# Allegro board SDHCalFEB.brd (continued)
## Placement (name value [footprint] x y rotation side) (continued)
R2253  1M  [SR0603_1M]  178.09 71.28 0 top
R2254  1M  [SR0603_1M]  98.8 70.57 90 top
R2255  1M  [SR0603_1M]  82.93 59.19 90 top
R2256  1M  [SR0603_1M]  257.81 80.03 270 top
R2257  1M  [SR0603_1M]  178.08 80.03 270 top
R2258  1M  [SR0603_1M]  98 80.08 270 top
R2259  1M  [SR0603_1M]  84.07 65.23 0 top
R2260  1M  [SR0603_1M]  282.73 74.45 270 top
R2261  1M  [SR0603_1M]  202.69 74.37 270 top
R2262  1M  [SR0603_1M]  122.73 74.47 270 top
R2263  1M  [SR0603_1M]  26.47 63.75 0 top
R2264  1M  [SR0603_1M]  274.62 71.42 90 top
R2265  1M  [SR0603_1M]  194.64 71.42 90 top
R2266  1M  [SR0603_1M]  114.63 71.42 90 top
R2267  1M  [SR0603_1M]  25.02 55.07 0 top
R2268  1M  [SR0603_1M]  260.48 73.66 0 top
R2269  1M  [SR0603_1M]  180.49 73.69 0 top
R2270  1M  [SR0603_1M]  100.48 73.66 0 top
R2271  1M  [SR0603_1M]  26.52 61.21 0 top
R2272  1M  [SR0603_1M]  332.94 61.7 180 top
R2273  1M  [SR0603_1M]  252.22 59.94 180 top
R2274  1M  [SR0603_1M]  172.24 59.99 180 top
R2275  1M  [SR0603_1M]  66.95 21.31 180 top
R2276  1M  [SR0603_1M]  321.94 62.2 0 top
R2277  1M  [SR0603_1M]  242.93 59.18 90 top
R2278  1M  [SR0603_1M]  162.94 59.21 90 top
R2279  1M  [SR0603_1M]  67.13 29.84 180 top
R2280  1M  [SR0603_1M]  319.56 65.35 90 top
R2281  1M  [SR0603_1M]  247.24 65.2 0 top
R2282  1M  [SR0603_1M]  164.52 65.25 0 top
R2283  1M  [SR0603_1M]  48.62 17.02 0 top
R2284  1M  [SR0603_1M]  259.18 67.36 0 top
R2285  1M  [SR0603_1M]  184.18 66.19 180 top
R2286  1M  [SR0603_1M]  104.14 66.32 180 top
R2287  1M  [SR0603_1M]  33.53 26.31 270 top
R2288  1M  [SR0603_1M]  274.95 63.93 180 top
R2289  1M  [SR0603_1M]  194.56 63.88 180 top
R2290  1M  [SR0603_1M]  114.81 63.91 180 top
R2291  1M  [SR0603_1M]  34.47 32.54 0 top
R2292  1M  [SR0603_1M]  274.19 59.99 90 top
R2293  1M  [SR0603_1M]  194.59 60.12 90 top
R2294  1M  [SR0603_1M]  114.71 60.05 90 top
R2295  1M  [SR0603_1M]  24.99 52.45 0 top
R2296  1M  [SR0603_1M]  271.7 61.44 90 top
R2297  1M  [SR0603_1M]  191.72 61.44 90 top
R2298  1M  [SR0603_1M]  111.68 61.44 90 top
R2299  1M  [SR0603_1M]  67.13 18.62 180 top
R2300  1M  [SR0603_1M]  260.68 61.47 0 top
R2301  1M  [SR0603_1M]  180.67 61.47 0 top
R2302  1M  [SR0603_1M]  100.38 61.44 0 top
R2303  1M  [SR0603_1M]  68.4 27.23 180 top
R2304  1M  [SR0603_1M]  308.38 21.16 180 top
R2305  1M  [SR0603_1M]  228.04 21.72 180 top
R2306  1M  [SR0603_1M]  147.5 21.16 180 top
R2307  1M  [SR0603_1M]  52.5 17.02 180 top
R2308  1M  [SR0603_1M]  307.98 29.57 180 top
R2309  1M  [SR0603_1M]  227.33 29.69 180 top
R2310  1M  [SR0603_1M]  147.65 29.87 180 top
R2311  1M  [SR0603_1M]  34.8 21.39 0 top
R2312  1M  [SR0603_1M]  288.7 17.27 0 top
R2313  1M  [SR0603_1M]  208.53 17.88 0 top
R2314  1M  [SR0603_1M]  128.45 16.28 0 top
R2315  1M  [SR0603_1M]  33.15 29.97 0 top
R2316  1M  [SR0603_1M]  272.72 26.87 270 top
R2317  1M  [SR0603_1M]  193.57 26.7 270 top
R2318  1M  [SR0603_1M]  113.51 25.86 270 top
R2319  1M  [SR0603_1M]  42.95 41.68 180 top
R2320  1M  [SR0603_1M]  274.32 32.84 0 top
R2321  1M  [SR0603_1M]  194.36 32.77 0 top
R2322  1M  [SR0603_1M]  114.76 32.36 0 top
R2323  1M  [SR0603_1M]  275.08 49.66 0 top
R2324  1M  [SR0603_1M]  195.22 49.2 90 top
R2325  1M  [SR0603_1M]  115.14 49.33 0 top
R2326  1M  [SR0603_1M]  271.68 51.44 90 top
R2327  1M  [SR0603_1M]  191.69 51.44 90 top
R2328  1M  [SR0603_1M]  111.68 51.44 90 top
R2330  1M  [SR0603_1M]  261.37 52.2 0 top
R2331  1M  [SR0603_1M]  182.93 51.23 0 top
R2332  1M  [SR0603_1M]  102.92 51.23 0 top
R2334  1M  [SR0603_1M]  308.71 18.34 180 top
R2335  1M  [SR0603_1M]  228.5 18.95 180 top
R2336  1M  [SR0603_1M]  147.6 18.57 180 top
R2338  1M  [SR0603_1M]  310.01 26.85 180 top
R2339  1M  [SR0603_1M]  229.51 27.03 180 top
R2340  1M  [SR0603_1M]  148.97 27.23 180 top
R2342  1M  [SR0603_1M]  292.66 17.25 180 top
R2343  1M  [SR0603_1M]  212.83 17.91 180 top
R2344  1M  [SR0603_1M]  132.61 16.33 180 top
R2346  1M  [SR0603_1M]  275.56 22.23 0 top
R2347  1M  [SR0603_1M]  194.84 21.67 0 top
R2348  1M  [SR0603_1M]  114.86 20.98 0 top
R2350  1M  [SR0603_1M]  275.69 30.23 0 top
R2351  1M  [SR0603_1M]  193.42 30.1 0 top
R2352  1M  [SR0603_1M]  113.41 29.72 0 top
R2354  1M  [SR0603_1M]  282.96 41.68 180 top
R2355  1M  [SR0603_1M]  202.97 38.28 180 top
R2356  1M  [SR0603_1M]  122.96 41.71 180 top
R2358  1M  [SR0603_1M]  271.68 41.43 90 top
R2359  1M  [SR0603_1M]  190.73 39.93 90 top
R2360  1M  [SR0603_1M]  111.68 41.43 90 top
R2362  1M  [SR0603_1M]  261.44 42.72 0 top
R2363  1M  [SR0603_1M]  181.43 42.72 0 top
R2364  1M  [SR0603_1M]  101.45 42.7 0 top
R2476  0  [SR0603]  195.33 24.43 180 top
R2477  0  [SR0603]  115.24 23.59 180 top
R2480  x  [SR0603]  191.82 24.43 0 top
R2481  x  [SR0603]  111.79 23.6 0 top
R2484  0  [SR0603]  274.45 24.61 180 top
R2485  x  [SR0603]  270.99 24.61 0 top
R2512  1k  [SR0603]  350.82 38.02 180 top
R2513  x  [SR0603]  384.76 101.4 180 top
R2514  0  [SR0603]  388.36 116.18 90 bottom
R2515  0  [SR0603]  375.46 103.68 0 top
R2516  x  [SR0603]  388.39 111.89 270 bottom
R2517  0  [SR0603]  386.86 116.19 90 bottom
R2518  x  [SR0603]  377.82 111.89 270 bottom
R2519  0  [SR0603]  377.81 116.19 90 bottom
R2520  x  [SR0603]  376.58 98.67 90 top
R2521  0  [SR0603]  378 98.67 90 top
R2522  x  [SR0603]  379.43 98.67 90 top
R2523  x  [SR0603]  380.85 98.67 90 top
R2524  0  [SR0603]  382.27 98.67 90 top
R2525  0  [SR0603]  383.69 98.67 90 top
R2526  x  [SR0603]  386.89 111.89 270 bottom
R2527  0  [SR0603]  385.36 116.19 90 bottom
R2528  x  [SR0603]  385.37 111.89 270 bottom
R2529  0  [SR0603]  379.3 116.19 90 bottom
R2530  x  [SR0603]  379.32 111.89 270 bottom
R2531  x  [SR0603]  386.31 283.9 180 top
R2532  0  [SR0603]  380.82 116.19 90 bottom
R2533  x  [SR0603]  382.37 111.89 270 bottom
R2534  0  [SR0603]  382.32 116.19 90 bottom
R2535  x  [SR0603]  383.87 111.89 270 bottom
R2536  0  [SR0603]  376.78 286.51 0 top
R2537  0  [SR0603]  383.84 116.19 90 bottom
R2538  x  [SR0603]  380.85 111.89 270 bottom
R2539  x  [SR0603]  377.9 281.13 90 top
R2540  0  [SR0603]  379.32 281.13 90 top
R2541  x  [SR0603]  380.75 281.13 90 top
R2542  x  [SR0603]  382.17 281.13 90 top
R2543  0  [SR0603]  383.59 281.13 90 top
R2544  0  [SR0603]  385.01 281.13 90 top
R2557  0  [SR0603]  343.17 323.34 0 top
R2558  x  [SR0603]  343.16 321.84 180 top
R2559  0  [SR0603]  347.69 323.39 180 top
R2560  x  [SR0603]  347.69 321.89 0 top
R2561  0  [SR0603]  347.48 333.48 180 top
R2562  x  [SR0603]  347.49 335 0 top
R2563  0  [SR0603]  343.37 333.48 0 top
R2564  0  [SR0603]  343.37 334.98 180 top
R2565  0  [SR0603]  347.49 239.55 0 top
R2566  x  [SR0603]  347.48 238.05 180 top
R2567  0  [SR0603]  352 239.6 180 top
R2568  x  [SR0603]  352.01 238.1 0 top
R2569  0  [SR0603]  351.8 249.78 180 top
R2570  x  [SR0603]  351.81 251.28 0 top
R2571  0  [SR0603]  347.69 249.81 0 top
R2572  x  [SR0603]  347.69 251.31 180 top
R2573  0  [SR0603]  347.72 208.33 0 top
R2574  x  [SR0603]  347.71 206.83 180 top
R2575  0  [SR0603]  352.26 208.43 180 top
R2576  x  [SR0603]  352.26 206.93 0 top
R2577  0  [SR0603]  352.05 218.49 180 top
R2578  x  [SR0603]  351.28 220.77 90 top
R2579  0  [SR0603]  347.94 218.52 0 top
R2580  x  [SR0603]  348.72 220.77 90 top
R2581  0  [SR0603]  354.59 107.99 45 top
R2582  x  [SR0603]  355.68 106.91 225 top
R2583  0  [SR0603]  357.78 111.25 225 top
R2584  x  [SR0603]  358.82 110.11 45 top
R2585  0  [SR0603]  350.53 118.18 225 top
R2586  x  [SR0603]  349.43 119.27 45 top
R2587  0  [SR0603]  347.64 115.24 45 top
R2588  x  [SR0603]  346.57 116.33 225 top
R2589  10k  [SR0603]  389.64 270.64 180 top
R2590  10k  [SR0603]  396.49 269.37 0 bottom
R2591  10k  [SR0603]  389.64 268.1 180 top
R2592  10k  [SR0603]  396.49 274.45 0 bottom
R2593  10k  [SR0603]  389.64 273.18 180 top
R2594  10k  [SR0603]  396.39 271.91 0 bottom
R2595  10k  [SR0603]  35.26 24.05 180 top
R2596  10k  [SR0603]  31.8 24.05 0 top
R2597  10k  [SR0603]  362.18 89 90 top
R2598  10k  [SR0603]  375.11 282.42 0 top
R2599  0  [SR0603]  344.2 296.18 315 top
R2600  0  [SR0603]  343.14 295.1 315 top
R2601  0  [SR0603]  342.05 293.96 315 top
R2602  0  [SR0603]  340.99 292.88 315 top
R2603  0  [SR0603]  341.8 289.95 315 top
R2604  0  [SR0603]  340.74 288.89 315 top
R2605  0  [SR0603]  338.15 287.44 315 top
R2606  0  [SR0603]  337.09 286.38 315 top
R2607  0  [SR0603]  336.07 217.58 0 top
R2608  0  [SR0603]  336.07 216.08 0 top
R2609  0  [SR0603]  339.24 215.29 0 top
R2610  0  [SR0603]  339.24 213.79 0 top
R2611  0  [SR0603]  336.8 212.09 0 top
R2612  0  [SR0603]  336.8 210.59 0 top
R2613  0  [SR0603]  335.71 208.41 0 top
R2614  0  [SR0603]  335.71 206.93 0 top
R2615  0  [SR0603]  329.63 169.36 45 top
R2616  0  [SR0603]  330.67 168.3 45 top
R2617  0  [SR0603]  319.99 136.55 0 top
R2618  0  [SR0603]  319.99 135.08 0 top
R2619  0  [SR0603]  343.99 154.58 90 top
R2620  0  [SR0603]  345.49 154.58 90 top
R2621  0  [SR0603]  343.23 146.51 0 top
R2622  0  [SR0603]  343.23 145.01 0 top
R2623  0  [SR0603]  320.7 57.91 0 top
R2624  0  [SR0603]  320.7 56.41 0 top
R2625  0  [SR0603]  325.17 56.03 0 top
R2626  0  [SR0603]  325.17 54.56 0 top
R2627  0  [SR0603]  328.78 53.72 0 top
R2628  0  [SR0603]  328.78 52.25 0 top
R2629  0  [SR0603]  340.21 58.18 45 top
R2630  0  [SR0603]  341.29 57.15 45 top
TP1  Test Pad Gnd  [TESTPADGND]  285.88 319.94 0 top
TP2  Test Pad Gnd  [TESTPADGND]  277.96 275.9 0 top
TP3  Test Pad  [TESTPAD]  316.56 304.01 0 top
TP4  Test Pad  [TESTPAD]  316.56 305.33 0 top
TP5  Test Pad  [TESTPAD]  316.71 309.22 0 top
TP6  Test Pad Gnd  [TESTPADGND]  319.26 298.48 0 top
TP7  Test Pad Gnd  [TESTPADGND]  298.35 275.36 0 top
TP12  Test Pad Gnd  [TESTPADGND]  225.81 316.87 0 top
TP13  Test Pad Gnd  [TESTPADGND]  206.2 319.82 0 top
TP14  Test Pad  [TESTPAD]  237.36 304.01 0 top
TP15  Test Pad  [TESTPAD]  236.65 305.33 0 top
TP16  Test Pad  [TESTPAD]  236.73 309.22 0 top
TP21  Test Pad Gnd  [TESTPADGND]  202.52 277.22 0 top
TP22  Test Pad Gnd  [TESTPADGND]  307.54 316.74 0 top
TP23  Test Pad  [TESTPAD]  156.69 304.01 0 top
TP24  Test Pad  [TESTPAD]  156.62 305.33 0 top
TP25  Test Pad  [TESTPAD]  156.72 309.22 0 top
TP26  Test Pad Gnd  [TESTPADGND]  145.24 316.33 0 top
TP27  Test Pad Gnd  [TESTPADGND]  125.88 319.86 0 top
TP32  Test Pad Gnd  [TESTPADGND]  120.29 275.87 0 top
TP33  Test Pad Gnd  [TESTPADGND]  158.93 294.95 0 top
TP34  Test Pad  [TESTPAD]  76.61 304.01 0 top
TP35  Test Pad  [TESTPAD]  76.63 305.33 0 top
TP36  Test Pad  [TESTPAD]  76.61 309.22 0 top
TP37  Test Pad Gnd  [TESTPADGND]  65.79 316.38 0 top
TP38  Test Pad Gnd  [TESTPADGND]  40.34 319.76 0 top
TP43  Test Pad Gnd  [TESTPADGND]  47.07 319.35 0 top
TP44  Test Pad Gnd  [TESTPADGND]  40.46 275.69 0 top
TP45  Test Pad  [TESTPAD]  317.32 224 0 top
TP46  Test Pad  [TESTPAD]  316.59 225.32 0 top
TP47  Test Pad  [TESTPAD]  316.59 229.21 0 top
TP48  Test Pad Gnd  [TESTPADGND]  306.68 236.75 0 top
TP49  Test Pad Gnd  [TESTPADGND]  273.76 247.37 0 top
TP54  Test Pad Gnd  [TESTPADGND]  277.77 194.61 0 top
TP55  Test Pad Gnd  [TESTPADGND]  318.16 210.79 0 top
TP56  Test Pad  [TESTPAD]  237.06 224.01 0 top
TP57  Test Pad  [TESTPAD]  237.06 225.31 0 top
TP58  Test Pad  [TESTPAD]  237.03 229.22 0 top
TP59  Test Pad Gnd  [TESTPADGND]  246.61 249.79 0 top
TP60  Test Pad Gnd  [TESTPADGND]  200.08 238.79 0 top
TP65  Test Pad Gnd  [TESTPADGND]  131.9 185.68 0 top
TP66  Test Pad Gnd  [TESTPADGND]  249.48 217.94 0 top
TP67  Test Pad  [TESTPAD]  156.92 224.01 0 top
TP68  Test Pad  [TESTPAD]  156.92 225.31 0 top
TP69  Test Pad  [TESTPAD]  156.87 229.19 0 top
TP70  Test Pad Gnd  [TESTPADGND]  166.55 249.49 0 top
TP71  Test Pad Gnd  [TESTPADGND]  120.22 238.74 0 top
TP76  Test Pad Gnd  [TESTPADGND]  239.83 129.44 0 top
TP77  Test Pad Gnd  [TESTPADGND]  171.55 218.07 0 top
TP78  Test Pad  [TESTPAD]  76.81 224.01 0 top
TP79  Test Pad  [TESTPAD]  76.78 225.31 0 top
TP80  Test Pad  [TESTPAD]  76.76 229.22 0 top
TP81  Test Pad Gnd  [TESTPADGND]  86.41 249.56 0 top
TP82  Test Pad Gnd  [TESTPADGND]  55.24 247.89 0 top
TP87  Test Pad Gnd  [TESTPADGND]  52.6 185.1 0 top
TP88  Test Pad Gnd  [TESTPADGND]  87.68 219.72 0 top
TP89  Test Pad  [TESTPAD]  317.14 144 0 top
TP90  Test Pad  [TESTPAD]  317.14 145.3 0 top
TP91  Test Pad  [TESTPAD]  317.02 149.21 0 top
TP92  Test Pad Gnd  [TESTPADGND]  316.31 173.44 0 top
TP93  Test Pad Gnd  [TESTPADGND]  280.14 158.89 0 top
TP98  Test Pad Gnd  [TESTPADGND]  292.68 105.06 0 top
TP99  Test Pad Gnd  [TESTPADGND]  315.93 113.5 0 top
TP100  Test Pad  [TESTPAD]  237.39 143.99 0 top
TP101  Test Pad  [TESTPAD]  236.7 145.29 0 top
TP102  Test Pad  [TESTPAD]  236.65 149.2 0 top
TP103  Test Pad Gnd  [TESTPADGND]  226.54 156.68 0 top
TP104  Test Pad Gnd  [TESTPADGND]  205.82 160.23 0 top
TP109  Test Pad Gnd  [TESTPADGND]  212.34 105.39 0 top
TP110  Test Pad Gnd  [TESTPADGND]  248.06 141 0 top
TP111  Test Pad  [TESTPAD]  156.79 144 0 top
TP112  Test Pad  [TESTPAD]  156.79 145.3 0 top
TP113  Test Pad  [TESTPAD]  156.77 149.21 0 top
TP114  Test Pad Gnd  [TESTPADGND]  148.51 156.6 0 top
TP115  Test Pad Gnd  [TESTPADGND]  120.8 158.43 0 top
TP120  Test Pad Gnd  [TESTPADGND]  132.46 105.93 0 top
TP121  Test Pad Gnd  [TESTPADGND]  157.84 128.5 0 top
TP122  Test Pad Gnd  [TESTPADGND]  68.22 156.27 0 top
TP123  Test Pad Gnd  [TESTPADGND]  41.35 159.34 0 top
TP124  Test Pad  [TESTPAD]  76.68 144 0 top
TP125  Test Pad  [TESTPAD]  76.73 145.3 0 top
TP126  Test Pad  [TESTPAD]  76.78 149.21 0 top
TP131  Test Pad Gnd  [TESTPADGND]  52.43 105.11 0 top
TP132  Test Pad Gnd  [TESTPADGND]  86.16 141.51 0 top
TP133  Test Pad Gnd  [TESTPADGND]  304.77 76.79 0 top
TP134  Test Pad Gnd  [TESTPADGND]  279.93 78.9 0 top
TP135  Test Pad  [TESTPAD]  316.89 63.99 0 top
TP136  Test Pad  [TESTPAD]  316.89 65.29 0 top
TP137  Test Pad  [TESTPAD]  316.84 69.2 0 top
TP142  Test Pad Gnd  [TESTPADGND]  330.25 49.38 0 top
TP143  Test Pad Gnd  [TESTPADGND]  314.96 29.92 0 top
TP144  Test Pad  [TESTPAD]  236.91 63.99 0 top
TP145  Test Pad  [TESTPAD]  236.93 65.29 0 top
TP146  Test Pad  [TESTPAD]  236.85 69.17 0 top
TP147  Test Pad Gnd  [TESTPADGND]  228.42 76.54 0 top
TP148  Test Pad Gnd  [TESTPADGND]  200.48 78.65 0 top
TP153  Test Pad Gnd  [TESTPADGND]  218.26 34.53 0 top
TP154  Test Pad Gnd  [TESTPADGND]  247.52 45.22 0 top
TP155  Test Pad  [TESTPAD]  156.82 63.99 0 top
TP156  Test Pad  [TESTPAD]  156.82 65.29 0 top
TP157  Test Pad  [TESTPAD]  156.92 69.2 0 top
TP158  Test Pad Gnd  [TESTPADGND]  148.82 76.54 0 top
TP159  Test Pad Gnd  [TESTPADGND]  120.17 78.44 0 top
TP164  Test Pad Gnd  [TESTPADGND]  135.86 38.16 0 top
TP165  Test Pad Gnd  [TESTPADGND]  163.04 39.63 0 top
TP166  Test Pad Gnd  [TESTPADGND]  67.87 76.51 0 top
TP167  Test Pad Gnd  [TESTPADGND]  44.22 79.31 0 top
TP168  Test Pad  [TESTPAD]  76.86 63.99 0 top
TP169  Test Pad  [TESTPAD]  76.86 65.29 0 top
TP170  Test Pad  [TESTPAD]  76.68 69.17 0 top
TP175  Test Pad Gnd  [TESTPADGND]  55.83 38.03 0 top
TP176  Test Pad Gnd  [TESTPADGND]  84.53 40.45 0 top
U1  BAV99W SOT323  [BAV99W_SOT323]  334.71 318.13 90 top
U2  BAV99W SOT323  [BAV99W_SOT323]  334.64 328.24 90 top
U3  BAV99W SOT323  [BAV99W_SOT323]  324.76 326.2 90 top
U4  BAV99W SOT323  [BAV99W_SOT323]  322.22 330.67 90 top
U5  BAV99W SOT323  [BAV99W_SOT323]  314.72 326.2 90 top
U6  BAV99W SOT323  [BAV99W_SOT323]  312.18 330.67 90 top
U7  BAV99W SOT323  [BAV99W_SOT323]  303.17 327.68 90 top
U8  BAV99W SOT323  [BAV99W_SOT323]  302.15 330.66 90 top
U9  BAV99W SOT323  [BAV99W_SOT323]  290.79 328.64 180 top
U10  BAV99W SOT323  [BAV99W_SOT323]  290.66 337.15 180 top
U11  BAV99W SOT323  [BAV99W_SOT323]  283.73 337.18 180 top
U12  BAV99W SOT323  [BAV99W_SOT323]  282.2 328.77 180 top
U13  BAV99W SOT323  [BAV99W_SOT323]  272.19 330.69 270 top
U14  BAV99W SOT323  [BAV99W_SOT323]  265.21 332.33 180 top
U15  BAV99W SOT323  [BAV99W_SOT323]  279.66 314.67 180 top
U16  BAV99W SOT323  [BAV99W_SOT323]  276.14 318.24 0 top
U17  BAV99W SOT323  [BAV99W_SOT323]  266.23 324.68 180 top
U18  BAV99W SOT323  [BAV99W_SOT323]  260.93 317.74 0 top
U19  BAV99W SOT323  [BAV99W_SOT323]  271.13 314.7 180 top
U20  BAV99W SOT323  [BAV99W_SOT323]  264.68 316.09 180 top
U21  BAV99W SOT323  [BAV99W_SOT323]  262.88 308.97 0 top
U22  BAV99W SOT323  [BAV99W_SOT323]  320.68 316.3 180 top
U23  BAV99W SOT323  [BAV99W_SOT323]  327.27 310.71 90 top
U24  BAV99W SOT323  [BAV99W_SOT323]  336.19 309.67 90 top
U25  BAV99W SOT323  [BAV99W_SOT323]  270.42 305.55 270 top
U26  BAV99W SOT323  [BAV99W_SOT323]  278.33 300.51 0 top
U27  BAV99W SOT323  [BAV99W_SOT323]  320.81 308.25 180 top
U28  BAV99W SOT323  [BAV99W_SOT323]  326.51 301.41 90 top
U29  BAV99W SOT323  [BAV99W_SOT323]  332.2 300.68 90 top
U30  BAV99W SOT323  [BAV99W_SOT323]  267.5 302.6 270 top
U31  BAV99W SOT323  [BAV99W_SOT323]  262.34 303.31 270 top
U32  BAV99W SOT323  [BAV99W_SOT323]  260.46 298.97 270 top
U33  BAV99W SOT323  [BAV99W_SOT323]  259.7 296.22 270 top
U34  BAV99W SOT323  [BAV99W_SOT323]  259.72 290.99 270 top
U35  BAV99W SOT323  [BAV99W_SOT323]  264.78 290.99 270 top
U36  BAV99W SOT323  [BAV99W_SOT323]  267.57 289.31 270 top
U37  BAV99W SOT323  [BAV99W_SOT323]  331.18 289.7 0 top
U38  BAV99W SOT323  [BAV99W_SOT323]  325.44 295.52 90 top
U39  BAV99W SOT323  [BAV99W_SOT323]  323.19 290.09 270 top
U40  BAV99W SOT323  [BAV99W_SOT323]  274.99 292.11 270 top
U41  BAV99W SOT323  [BAV99W_SOT323]  258.66 285.76 270 top
U42  BAV99W SOT323  [BAV99W_SOT323]  261.09 280.91 270 top
U43  BAV99W SOT323  [BAV99W_SOT323]  259.8 276.03 270 top
U44  BAV99W SOT323  [BAV99W_SOT323]  268.9 278.98 0 top
U45  BAV99W SOT323  [BAV99W_SOT323]  271.41 275.8 270 top
U46  BAV99W SOT323  [BAV99W_SOT323]  273.98 268.94 0 top
U47  BAV99W SOT323  [BAV99W_SOT323]  330.67 282.15 0 top
U48  BAV99W SOT323  [BAV99W_SOT323]  327.35 283.73 90 top
U49  BAV99W SOT323  [BAV99W_SOT323]  321.91 279.71 0 top
U50  BAV99W SOT323  [BAV99W_SOT323]  278.24 279.74 270 top
U51  BAV99W SOT323  [BAV99W_SOT323]  263.71 268.7 180 top
U52  BAV99W SOT323  [BAV99W_SOT323]  272.25 260.69 0 top
U53  BAV99W SOT323  [BAV99W_SOT323]  283.96 268.99 0 top
U54  BAV99W SOT323  [BAV99W_SOT323]  275.7 262.21 270 top
U55  BAV99W SOT323  [BAV99W_SOT323]  288.23 259.72 0 top
U56  BAV99W SOT323  [BAV99W_SOT323]  288.21 269.71 0 top
U57  BAV99W SOT323  [BAV99W_SOT323]  298.21 259.72 0 top
U58  BAV99W SOT323  [BAV99W_SOT323]  308.22 259.72 0 top
U59  BAV99W SOT323  [BAV99W_SOT323]  318.2 259.72 0 top
U60  BAV99W SOT323  [BAV99W_SOT323]  328.21 259.72 0 top
U61  BAV99W SOT323  [BAV99W_SOT323]  328.18 269.73 270 top
U62  BAV99W SOT323  [BAV99W_SOT323]  319.39 271.42 180 top
U63  BAV99W SOT323  [BAV99W_SOT323]  310.68 272.18 180 top
U64  BAV99W SOT323  [BAV99W_SOT323]  305.76 272.18 90 top
U65  MICROROC  [CQFP160Z0650]  283.59 310.52 270 top
U66  BAV99W SOT323  [BAV99W_SOT323]  249.19 320.61 180 top
U67  BAV99W SOT323  [BAV99W_SOT323]  246.77 334.63 270 top
U68  BAV99W SOT323  [BAV99W_SOT323]  244.74 326.2 90 top
U69  BAV99W SOT323  [BAV99W_SOT323]  244.28 330.7 90 top
U70  BAV99W SOT323  [BAV99W_SOT323]  234.68 326.22 90 top
U71  BAV99W SOT323  [BAV99W_SOT323]  232.19 330.67 90 top
U72  BAV99W SOT323  [BAV99W_SOT323]  224.7 326.2 90 top
U73  BAV99W SOT323  [BAV99W_SOT323]  222.14 330.67 90 top
U74  BAV99W SOT323  [BAV99W_SOT323]  212.2 328.74 180 top
U75  BAV99W SOT323  [BAV99W_SOT323]  210.68 337.27 180 top
U76  BAV99W SOT323  [BAV99W_SOT323]  203.72 337.15 180 top
U77  BAV99W SOT323  [BAV99W_SOT323]  202.2 328.76 180 top
U78  BAV99W SOT323  [BAV99W_SOT323]  195.21 329.48 270 top
U79  BAV99W SOT323  [BAV99W_SOT323]  185.28 332.18 180 top
U80  BAV99W SOT323  [BAV99W_SOT323]  199.65 314.73 180 top
U81  BAV99W SOT323  [BAV99W_SOT323]  196.18 318.21 0 top
U82  BAV99W SOT323  [BAV99W_SOT323]  186.22 324.71 180 top
U83  BAV99W SOT323  [BAV99W_SOT323]  181.75 317.52 0 top
U84  BAV99W SOT323  [BAV99W_SOT323]  191.17 314.63 180 top
U85  BAV99W SOT323  [BAV99W_SOT323]  186.29 316.21 180 top
U86  BAV99W SOT323  [BAV99W_SOT323]  182.36 309.14 0 top
U87  BAV99W SOT323  [BAV99W_SOT323]  241.56 316.13 180 top
U88  BAV99W SOT323  [BAV99W_SOT323]  246.11 312.47 180 top
U89  BAV99W SOT323  [BAV99W_SOT323]  249.75 311.29 270 top
U90  BAV99W SOT323  [BAV99W_SOT323]  190.13 305.09 270 top
U91  BAV99W SOT323  [BAV99W_SOT323]  198.49 300.34 0 top
U92  BAV99W SOT323  [BAV99W_SOT323]  256.2 306.72 0 top
U93  BAV99W SOT323  [BAV99W_SOT323]  245.58 305.5 90 top
U94  BAV99W SOT323  [BAV99W_SOT323]  249.57 306.9 270 top
U95  BAV99W SOT323  [BAV99W_SOT323]  186.42 303.49 270 top
U96  BAV99W SOT323  [BAV99W_SOT323]  179.26 303.62 270 top
U97  BAV99W SOT323  [BAV99W_SOT323]  180.45 299.07 270 top
U98  BAV99W SOT323  [BAV99W_SOT323]  179.69 296.25 270 top
U99  BAV99W SOT323  [BAV99W_SOT323]  179.82 289.24 270 top
U100  BAV99W SOT323  [BAV99W_SOT323]  185.28 292.19 270 top
U101  BAV99W SOT323  [BAV99W_SOT323]  187.46 288.23 270 top
U102  BAV99W SOT323  [BAV99W_SOT323]  251.17 289.7 0 top
U103  BAV99W SOT323  [BAV99W_SOT323]  242.94 297.98 180 top
U104  BAV99W SOT323  [BAV99W_SOT323]  247.48 288.66 0 top
U105  BAV99W SOT323  [BAV99W_SOT323]  194.58 291.78 270 top
U106  BAV99W SOT323  [BAV99W_SOT323]  178.75 285.81 270 top
U107  BAV99W SOT323  [BAV99W_SOT323]  181.09 279.95 270 top
U108  BAV99W SOT323  [BAV99W_SOT323]  181.22 274.69 270 top
U109  BAV99W SOT323  [BAV99W_SOT323]  187.21 280.73 270 top
U110  BAV99W SOT323  [BAV99W_SOT323]  192.72 276.77 270 top
U111  BAV99W SOT323  [BAV99W_SOT323]  194.02 268.97 0 top
U112  BAV99W SOT323  [BAV99W_SOT323]  253.35 286.78 90 top
U113  BAV99W SOT323  [BAV99W_SOT323]  245.43 284.94 135 top
U114  BAV99W SOT323  [BAV99W_SOT323]  242.43 280.07 90 top
U115  BAV99W SOT323  [BAV99W_SOT323]  198.95 278.96 0 top
U116  BAV99W SOT323  [BAV99W_SOT323]  183.71 268.74 180 top
U117  BAV99W SOT323  [BAV99W_SOT323]  193.56 261.45 0 top
U118  BAV99W SOT323  [BAV99W_SOT323]  205.19 268.64 0 top
U119  BAV99W SOT323  [BAV99W_SOT323]  199.73 264.73 270 top
U120  BAV99W SOT323  [BAV99W_SOT323]  205.52 262.22 270 top
U121  BAV99W SOT323  [BAV99W_SOT323]  210.73 267.12 0 top
U122  BAV99W SOT323  [BAV99W_SOT323]  216.65 259.7 0 top
U123  BAV99W SOT323  [BAV99W_SOT323]  226.71 259.7 0 top
U124  BAV99W SOT323  [BAV99W_SOT323]  238.21 259.7 0 top
U125  BAV99W SOT323  [BAV99W_SOT323]  248.2 259.7 0 top
U126  BAV99W SOT323  [BAV99W_SOT323]  248.07 269.76 270 top
U127  BAV99W SOT323  [BAV99W_SOT323]  240.65 272.1 180 top
U128  BAV99W SOT323  [BAV99W_SOT323]  229.27 272.17 180 top
U129  BAV99W SOT323  [BAV99W_SOT323]  225.77 272.2 90 top
U130  MICROROC  [CQFP160Z0650]  203.58 310.52 270 top
U131  BAV99W SOT323  [BAV99W_SOT323]  169.14 320.71 180 top
U132  BAV99W SOT323  [BAV99W_SOT323]  170.67 337.05 180 top
U133  BAV99W SOT323  [BAV99W_SOT323]  164.71 326.21 90 top
U134  BAV99W SOT323  [BAV99W_SOT323]  164.15 330.68 90 top
U135  BAV99W SOT323  [BAV99W_SOT323]  154.75 326.16 90 top
U136  BAV99W SOT323  [BAV99W_SOT323]  154.27 330.68 90 top
U137  BAV99W SOT323  [BAV99W_SOT323]  144.69 326.23 90 top
U138  BAV99W SOT323  [BAV99W_SOT323]  142.23 330.68 90 top
U139  BAV99W SOT323  [BAV99W_SOT323]  132.21 328.69 180 top
U140  BAV99W SOT323  [BAV99W_SOT323]  130.66 337.2 180 top
U141  BAV99W SOT323  [BAV99W_SOT323]  123.73 337.2 180 top
U142  BAV99W SOT323  [BAV99W_SOT323]  122.2 328.76 180 top
U143  BAV99W SOT323  [BAV99W_SOT323]  115.2 329.67 270 top
U144  BAV99W SOT323  [BAV99W_SOT323]  105.21 332.17 180 top
U145  BAV99W SOT323  [BAV99W_SOT323]  119.56 314.69 180 top
U146  BAV99W SOT323  [BAV99W_SOT323]  116.15 318.15 0 top
U147  BAV99W SOT323  [BAV99W_SOT323]  106.2 324.68 180 top
U148  BAV99W SOT323  [BAV99W_SOT323]  100.94 317.06 0 top
U149  BAV99W SOT323  [BAV99W_SOT323]  111.13 314.67 180 top
U150  BAV99W SOT323  [BAV99W_SOT323]  104.78 316.17 180 top
U151  BAV99W SOT323  [BAV99W_SOT323]  102.51 308.8 0 top
U152  BAV99W SOT323  [BAV99W_SOT323]  162.31 316.19 180 top
U153  BAV99W SOT323  [BAV99W_SOT323]  167.14 310.71 90 top
U154  BAV99W SOT323  [BAV99W_SOT323]  170.67 315.13 180 top
U155  BAV99W SOT323  [BAV99W_SOT323]  109.44 305.97 270 top
U156  BAV99W SOT323  [BAV99W_SOT323]  115.82 300.52 0 top
U157  BAV99W SOT323  [BAV99W_SOT323]  176.04 306.74 0 top
U158  BAV99W SOT323  [BAV99W_SOT323]  158.99 305.44 270 top
U159  BAV99W SOT323  [BAV99W_SOT323]  166.87 305.49 270 top
U160  BAV99W SOT323  [BAV99W_SOT323]  106.44 303.58 270 top
U161  BAV99W SOT323  [BAV99W_SOT323]  97.55 304.68 270 top
U162  BAV99W SOT323  [BAV99W_SOT323]  98.97 299.29 270 top
U163  BAV99W SOT323  [BAV99W_SOT323]  99.73 296.47 270 top
U164  BAV99W SOT323  [BAV99W_SOT323]  99.68 290.86 270 top
U165  BAV99W SOT323  [BAV99W_SOT323]  105.02 292.18 270 top
U166  BAV99W SOT323  [BAV99W_SOT323]  107.05 288.04 270 top
U167  BAV99W SOT323  [BAV99W_SOT323]  174.66 298.09 90 top
U168  BAV99W SOT323  [BAV99W_SOT323]  165.39 295.45 90 top
U169  BAV99W SOT323  [BAV99W_SOT323]  168.58 294.65 180 top
U170  BAV99W SOT323  [BAV99W_SOT323]  114.29 292 270 top
U171  BAV99W SOT323  [BAV99W_SOT323]  100.77 285.78 270 top
U172  BAV99W SOT323  [BAV99W_SOT323]  97.7 278.52 270 top
U173  BAV99W SOT323  [BAV99W_SOT323]  103.73 272.22 0 top